# Altium PCB OIS_Anakart.PcbDoc (part 2 of 3)
Units mm, origin at the board's own origin, x right, y up, seen from the top; angles counter-clockwise.
Board outline 285.58 x 103.2 mm, 4 copper layers (Top Layer, GND, PWR, Bottom Layer), stack 0.603 mm thick; 221 components, 193 nets, 759 pads, 338 vias.
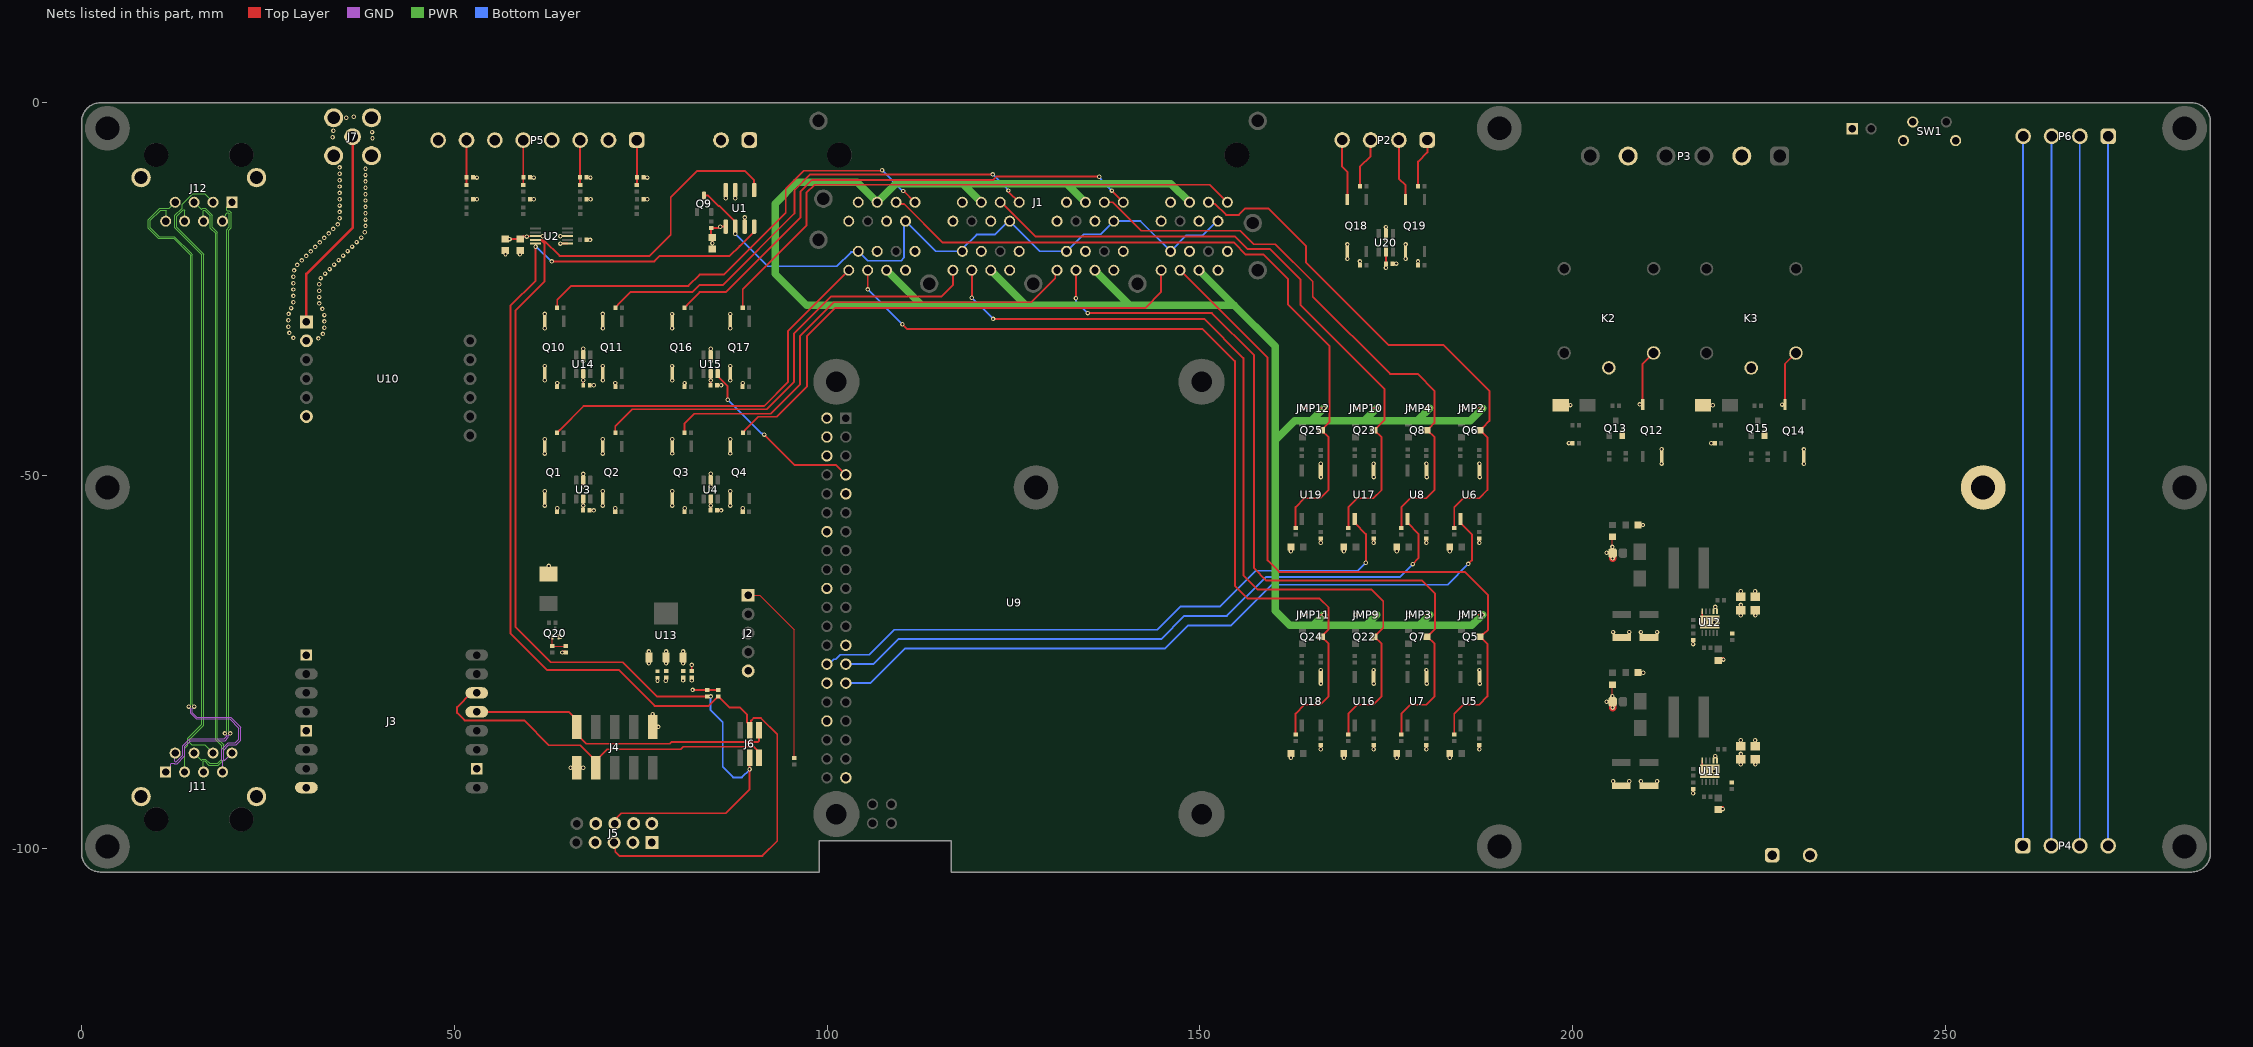
[diagram p4: the nets of this part, all layers, seen from the top]

## Part data
C1 C6: library part GMC10X5R105K16NT, "CAP CER 1UF 16V X5R 0603", Manufacturer="CAL-CHIP ELECTRONICS, INC.", Package="0603(1608 Metric)", Temperature Coefficient=X5R, Tolerance=±10%, Voltage=16V, Datasheet=http://www.calchipelectronics.com/pdf/gmc_series.pdf, Manufacturer Part Number=GMC10X5R105K16NT, Name="Recep Aydin", Part Number=GMC10X5R105K16NT, Que=020, Type=Ceramic
C2 C3 C4 C5 C8 C9 C10 C11: library part C1005X5R1A104K050BA, "CAP CER 0.1UF 10V X5R 0402", Manufacturer="TDK Corporation", Package="0402(1005 Metric)", Temperature Coefficient=X5R, Tolerance=±10%, Voltage=10V, Datasheet=https://product.tdk.com/en/system/files?file=dam/doc/product/capacitor/ceramic/mlcc/catalog/mlcc_commercial_general_en.pdf, Manufacturer Part Number=C1005X5R1A104K050BA, Name="Recep Aydin", Part Number=C1005X5R1A104K050BA, Que=003, Type=Ceramic
C7: library part GRT188R61C106KE13D, "CAP CER 10UF 16V X5R 0603", Manufacturer="Murata Electronics", Package="0603(1608 Metric)", Temperature Coefficient=X5R, Tolerance=±10%, Voltage=16V, Datasheet=https://search.murata.co.jp/Ceramy/image/img/A01X/G101/ENG/GRT188R61C106KE13-01.pdf, Manufacturer Part Number=GRT188R61C106KE13D, Name="Recep Aydin", Part Number=GRT188R61C106KE13D, Que=073, Type=Ceramic
C12 C15 C23 C31 C32 C33 C34: library part 04023C104KAT2A, "CAP CER 0.1UF 25V X7R 0402", Manufacturer="AVX Corporation", Package="0402(1005 Metric)", Temperature Coefficient=X7R, Tolerance=±10%, Voltage=25V, Datasheet=https://datasheets.avx.com/X7RDielectric.pdf, Manufacturer Part Number=04023C104KAT2A, Name="Recep Aydin", Part Number=04023C104KAT2A, Que=009, Type=Ceramic
C16 C17 C21 C22: library part CC0805KKX5R8BB106, "CAP CER 10UF 25V X5R 0805", Manufacturer=YAGEO, Package="0805(2012 Metric)", Temperature Coefficient=X5R, Tolerance=±10%, Voltage=25V, Datasheet=https://www.yageo.com/upload/media/product/productsearch/datasheet/mlcc/UPY-GPHC_X5R_4V-to-50V_26.pdf, Manufacturer Part Number=CC0805KKX5R8BB106, Name="Recep Aydin", Part Number=CC0805KKX5R8BB106, Que=074, Type=Ceramic
C18 C19 C24 C25: library part CL32A226KAJNNWE, "CAP CER 22UF 25V X5R 1210", Manufacturer="Samsung Electro-Mechanics", Package="1210(3225 Metric)", Temperature Coefficient=X5R, Tolerance=±10%, Voltage=25V, Datasheet=https://www.samsungsem.com/kr/support/product-search/mlcc/CL32A226KAJNNWE.jsp, Manufacturer Part Number=CL32A226KAJNNWE, Name="Recep Aydin", Part Number=CL32A226KAJNNWE, Que=018, Type=Ceramic
C20 C26: library part CGA3E1X7R1E105M080AC, "CAP CER 1UF 25V X7R 0603", Manufacturer="TDK Corporation", Package="0603(1608 Metric)", Temperature Coefficient=X7R, Tolerance=±20%, Voltage=25V, Datasheet=https://product.tdk.com/en/system/files?file=dam/doc/product/capacitor/ceramic/mlcc/catalog/mlcc_automotive_general_en.pdf, Manufacturer Part Number=CGA3E1X7R1E105M080AC, Name="Recep Aydin", Part Number=CGA3E1X7R1E105M080AC, Que=017, Type=Ceramic
C27 C28: library part CL05A105KO5NNNC, "CAP CER 1UF 16V X5R 0402", Manufacturer="Samsung Electro-Mechanics", Package="0402(1005 Metric)", Temperature Coefficient=X5R, Tolerance=±10%, Voltage=16V, Datasheet=https://media.digikey.com/pdf/Data%20Sheets/Samsung%20PDFs/CL05A105KO5NNNC_Spec_5-2-19.pdf, Manufacturer Part Number=CL05A105KO5NNNC, Name="Recep Aydin", Part Number=CL05A105KO5NNNC, Que=077, Type=Ceramic
C29 C30: library part C1005X5R1A475K050BC, "CAP CER 4.7UF 10V X5R 0402", Manufacturer="TDK Corporation", Package="0402(1005 Metric)", Temperature Coefficient=X5R, Tolerance=±10%, Voltage=10V, Datasheet=https://product.tdk.com/en/system/files?file=dam/doc/product/capacitor/ceramic/mlcc/catalog/mlcc_commercial_general_en.pdf, Manufacturer Part Number=C1005X5R1A475K050BC, Name="Recep Aydin", Part Number=C1005X5R1A475K050BC, Que=021, Type=Ceramic
D1 D2 D3 D4 D15 D17 D18 D19 D20 D21: "LED GREEN DIFFUSED SMD", Color=Green, Current=20mA, Forward Voltage=2.2V, Manufacturer="Lumex Opto/Components Inc.", Package="0603(1608 Metric)", Datasheet=https://www.lumex.com/datasheet/SML-LX0603GW-TR, LensTransparency=Diffused, Manufacturer Part Number=SML-LX0603GW-TR, Name="Recep Aydin", Part Number=SML-LX0603GW-TR, Que=001
D5: "Green 568nm LED Indication THT", Package="Radial Kingbright", Availability=Unavailable, MF=Kingbright, MP=WP7113GD, Part Number=WP7113GD, Price=None, Que=013, SnapEDA_Link=https://www.snapeda.com/parts/WP7113GD/Kingbright/view-part/573477/?ref=snap
D8 D10: library part SML-P12VTT86R, "LED RED CLEAR 0402 SMD", Color=Red, Current=20mA, Forward Voltage=2V, Package="0402 (1006 Metric)", Part Number=SML-P12VTT86R, Que=005
D9 D11 D14 D16: "DIODE SCHOTTKY 60V 3A DO214AC", Current=3A, Manufacturer="Taiwan Semiconductor Corporation", Package=DO-214AC, Datasheet=https://www.taiwansemi.com/assets/uploads/datasheet/TSSA3U60_F1612.pdf, Diode Type=Schottky, Manufacturer Part Number="TSSA3U60 R3G", Name="Recep Aydin", Part Number="TSSA3U60 R3G", Que=003, Speed="Fast Recovery =< 500ns, > 200mA (Io)"
J1: "Jack Modular Connector RJ45, Ethernet RA", Package=None, Check_prices=https://www.snapeda.com/parts/SS-73100-073/Stewart%20Connector/view-part/79069/?ref=eda, Digi-Key_Part_Number=SS-73100-073F-ND, MF="Stewart Connector", MP=SS-73100-073, Part Number=SS-73100-073, Que=174, SnapEDA_Link=https://www.snapeda.com/parts/SS-73100-073/Stewart%20Connector/view-part/79069/?ref=snap
J2: library part 2.54_5P_HDR, "2.54_5P_HDR", Part Number=2.54_5P_HDR, Que=091
J3: "CAMERA MODULE", Package=None, Check_prices=https://www.snapeda.com/parts/ESP32-CAM/AI-Thinker/view-part/?ref=eda, MF=AI-Thinker, MP=ESP32-CAM, Part Number=ESP32-CAM, Que=041, SnapEDA_Link=https://www.snapeda.com/parts/ESP32-CAM/AI-Thinker/view-part/?ref=snap
J4: "CONN HEADER SMD 10POS 2.54MM", Manufacturer="Amphenol ICC (FCI)", Connector Style="Header,Male Pin", Contact Finish=Tin, Datasheet=http://portal.fciconnect.com/Comergent//fci/drawing/54202.pdf, Date=02.02.2022, Manufacturer Part Number=54202-T0805LF, Mounting Type="Surface Mount", Name="Ahmet Kemal Ayyildiz", Number of Position=10, Part Number=54202-T0805LF, Que=056
J5: library part CONN10P_5x2P, "CONN10P_5x2P", Part Number=CONN10P_5x2P, Que=104
J6: "CONN HEADER SMD 6POS 1.27MM", Manufacturer="Sullins Connector Solutions", Connector Style="Header,Female Pin", Contact Finish=Gold, Datasheet=https://s3.amazonaws.com/catalogspreads-pdf/PAGE94-95%20.050%20MALE%20HDR%20ST%20RA%20SMT.pdf, Date=25-01-2022, Manufacturer Part Number=GRPB032VWQS-RC, Mounting Type="Surface Mount", Name="Ahmet Kemal Ayyildiz", Number of Position=6, Part Number=GRPB032VWQS-RC, Que=052
J7: library part 2057-RF2-49B-T-00-50-G-HDW-ND, "RF SMA CONNECTOR", Package=None, Check_prices=https://www.snapeda.com/parts/RF2-49B-T-00-50-G-HDW/Adam+Tech/view-part/?ref=eda, MF="Adam Tech", MP=RF2-49B-T-00-50-G-HDW, Part Number=2057-RF2-49B-T-00-50-G-HDW-ND, Que=177, SnapEDA_Link=https://www.snapeda.com/parts/RF2-49B-T-00-50-G-HDW/Adam+Tech/view-part/?ref=snap
J8: library part 2P_508, "5.08 mm _ 2 pins", Part Number=2P_508, Que=153
J11 J12: "Jack Modular Connector 8p8c (RJ45, Ethernet) 90Â° Angle (Right) Shielded, EMI Finger", Package=None, Arrow_Europe-Purchase-URL=https://snapeda.com/shop?store=Arrow+Europe&id=700071, Availability=Good, Check_prices=https://www.snapeda.com/parts/SS-6488S-A-PG4-BA/Stewart%20Connector/view-part/700071/?ref=eda, DigiKey-Purchase-URL=https://snapeda.com/shop?store=DigiKey&id=700071, MF="Bel Fuse", Mouser-Purchase-URL=https://snapeda.com/shop?store=Mouser&id=700071, MP=SS-6488S-A-PG4-BA, Price=None, SnapEDA_Link=https://www.snapeda.com/parts/SS-6488S-A-PG4-BA/Stewart%20Connector/view-part/700071/?ref=snap
JMP1 JMP2 JMP3 JMP4 JMP9 JMP10 JMP11 JMP12: library part "Solder Bridge0402_3pad", "0402 Solder Bridge 3 PAD", Name="Recep Aydin", Part Number="Solder Bridge0402_3pad", Que=008
K2 K3: Mfr_Name=Omron, Copyright="Copyright (C) 2023 Ultra Librarian. All rights reserved.", Manufacturer_Part_Number="G5LE-1-CF DC12", Part Number="G5LE-1-CF DC12", Que=038, RefDes=RefDes, Type=DEV
L1 L2: "6.8uH 9A 20.8mOhm Inductor", Current Rating="9 A", DC Resistance="20.8 mOhm", Manufacturer=Coilcraft, Package=PINDC, Datasheet=https://www.mouser.com.tr/datasheet/2/597/xal60xx-270658.pdf, Filter Type=Molded, Manufacturer Part Number=XAL6060-682MEB, Name="Recep Aydin", Part Number=XAL6060-682MEB, Que=003
LS1: "AUDIO MAGNETIC XDCR 2-4V SMD", Frequency=4kHz, Manufacturer=CUI, Max Operating Temperature=70°C, Min Operating Temperature=-20°C, Operating Supply Current=90mA, Supplier Part Number 1=102-3742-1-ND, Voltage Rating=3V, ComponentLink1Description=https://www.cui.com/product/resource/digikeypdf/cmt-4023s-smt.pdf?src-supplier=Digi-Key, ComponentLink1URL=https://www.cui.com/product/resource/digikeypdf/cmt-4023s-smt.pdf?src-supplier=Digi-Key, ComponentLink2Description=http://www.cui.com/product/resource/digikeypdf/cmt-4023s-smt.pdf?src-supplier=Digi-Key, ComponentLink2URL=http://www.cui.com/product/resource/digikeypdf/cmt-4023s-smt.pdf?src-supplier=Digi-Key, Lead Free="Lead Free", Length=4mm, Manufacturer Part Number=CMT-4023S-SMT-TR, Mount="Surface Mount", Packaging="Tape and Reel", Pricing 1="1=2.78, 10=2.3, 25=2.1236, 50=1.9952, 100=1.8717, 500=1.6036, 1000=1.586 (USD)", Sensing Method=Magnetic, Stock 1=2591, Supplier 1=Digi-Key, Termination=Solder, Width=4mm
MH1 MH2 MH3 MH4 MH5 MH6 MH8 MH9 MH10 MH11: library part M3_Vida, Category=Miscellaneous, Created By="Recep Aydin", Created On=13.02.2020, DesignItemID="Mounting Hole", Part Number=M3_Vida, Que=022
P1: "WR-TBL Series 322 - 3.81 mm Horizontal 2 pin", Manufacturer="Wurth Elektronik", Operating Temperature Max=105°C, Operating Temperature Min=-40°C, Rated Current=10A, Working Voltage=300V, Application=Pluggable, Category="Terminal Blocks", ComponentLink1Description="Website Link", ComponentLink1URL=https://www.we-online.com/redexpert/article/691322310002?ad, ComponentLink2Description="Datasheet Link", ComponentLink2URL=https://www.we-online.com/redexpert/spec/691322310002?ad, Manufacturer Part Number=691322310002, Match Code=WR-TBL, Modularity=No, Mount="Through Hole", Number of Pins=2, Number of Rows=1, Orientation=Horizontal, Packaging=Box, Part Number=691322310002, Pitch=3.81mm, Que=170
P2 P4 P6: "WR-TBL Series 322 - 3.81 mm Horizontal", Manufacturer="Wurth Elektronik", Operating Temperature Max=105°C, Operating Temperature Min=-40°C, Rated Current=10A, Working Voltage=300V, Application=Pluggable, Category="Terminal Blocks", ComponentLink1Description="Website Link", ComponentLink1URL=https://www.we-online.com/redexpert/article/691322310004?ad, ComponentLink2Description="Datasheet Link", ComponentLink2URL=https://www.we-online.com/redexpert/spec/691322310004?ad, Manufacturer Part Number=691322310004, Match Code=WR-TBL, Modularity=No, Mount="Through Hole", Number of Pins=4, Number of Rows=1, Orientation=Horizontal, Packaging=Box, Part Number=691322310004, Pitch=3.81mm, Que=169
P3: "WR-TBL Series 3055 - 5.08 mm 6 pin", Manufacturer="Wurth Elektronik", Operating Temperature Max=105°C, Operating Temperature Min=-40°C, Rated Current=16A, Working Voltage=300V, Application=Pluggable, Category="Terminal Blocks", ComponentLink1Description="Website Link", ComponentLink1URL=https://www.we-online.com/redexpert/article/691305540006?ad, ComponentLink2Description="Datasheet Link", ComponentLink2URL=https://www.we-online.com/redexpert/spec/691305540006?ad, Manufacturer Part Number=691305540006, Match Code=WR-TBL, Modularity=No, Mount="Through Hole", Number of Pins=6, Number of Rows=1, Orientation=Horizontal, Packaging=Box, Part Number=691305540006, Pitch=5.08mm, Que=161
P5: "WR-TBL Series 322 - 3.81 mm Horizontal 8 pin", Manufacturer="Wurth Elektronik", Operating Temperature Max=105°C, Operating Temperature Min=-40°C, Rated Current=10A, Working Voltage=300V, Application=Pluggable, Category="Terminal Blocks", ComponentLink1Description="Website Link", ComponentLink1URL=https://www.we-online.com/redexpert/article/691322310008?ad, ComponentLink2Description="Datasheet Link", ComponentLink2URL=https://www.we-online.com/redexpert/spec/691322310008?ad, Manufacturer Part Number=691322310008, Match Code=WR-TBL, Modularity=No, Mount="Through Hole", Number of Pins=8, Number of Rows=1, Orientation=Horizontal, Packaging=Box, Part Number=691322310008, Pitch=3.81mm, Que=172
Q1 Q3 Q10 Q12 Q14 Q16 Q18: "IC-188 OPTOISO 3.75KV TRANS SO6", Mfr_Name="Toshiba Electronic Devices & Storage Corp.", Number_devices_in_Package=1, Source_Package=TLP188, Copyright="Copyright (C) 2023 Ultra Librarian. All rights reserved.", Manufacturer_Part_Number=TLP188(TPL,E, Part Number=TLP188(TPL,E, Que=012, RefDes=RefDes, Type=DEV
Q2 Q4 Q11 Q17 Q19: library part TLP188(TPL,E, "IC-188 OPTOISO 3.75KV TRANS SO6", Mfr_Name="Toshiba Electronic Devices & Storage Corp.", Number_devices_in_Package=1, Source_Package=TLP188, Copyright="Copyright (C) 2023 Ultra Librarian. All rights reserved.", Manufacturer_Part_Number=TLP188(TPL,E, Part Number=TLP188(TPL,E, Que=012, RefDes=RefDes, Type=DEV
Q5 Q6 Q7 Q8 Q22 Q23 Q24 Q25: library part RU20P7C, "20V 5A 28mΩ@4.5V,5A 1.3W 1.1V@250μA P Channel", Package=SOT-23-3, Datasheet=https://datasheet.lcsc.com/szlcsc/2008251903_Shenzhen-ruichips-Semicon-RU20P7C_C181984.pdf, Part Number=RU20P7C, Que=009, Type=PMOS
Q9: "MOSFET P-CH 20V 5A SOT23-3L", Current=5A, Manufacturer="Alpha & Omega Semiconductor Inc.", Package=SOT-23-3, Voltage=1.5V,4.5V, Datasheet=https://media.digikey.com/pdf/Data%20Sheets/Alpha%20&%20Omega/AO3415A.pdf, FET Type=P-Channel, Manufacturer Part Number=AO3415A, Name="Recep Aydin", Part Number=AO3415A, Que=002, Technology=MOSFET
Q13 Q15: "TRANS NPN 40V 0.6A SMD SOT23-3", DC Current Gain="100 @ 150mA, 1V", Frequency=250Mhz, Manufacturer="Diodes Incorporated", Package=SOT-23-3, Datasheet=https://www.diodes.com/assets/Datasheets/ds30039.pdf, Manufacturer Part Number=MMBT4401-7-F, Name="Recep Aydin", Part Number=MMBT4401-7-F, Que=007, Type=NPN, Vce Saturation="750mV @ 50mA, 500mA"
Q20: "MOSFET N-CH 20V 210MA SOT723", Current=210mA, Manufacturer="ON Semiconductor", Package=SOT-723, Voltage="1.65V, 4.5V", Datasheet=https://www.onsemi.com/pdf/datasheet/ntk3043n-d.pdf, FET Type=N-Channel, Manufacturer Part Number=NTK3043NT1G, Name="Recep Aydin", Part Number=NTK3043NT1G, Que=009, Technology=MOSFET
R1 R2 R3 R4 R5 R6 R7 R8 R9: library part 0402WGF2000TCE, "RES.(1005) 0402 200 Ohms 1% 1/16W 100PPM", Part Number=0402WGF2000TCE, Que=165
R10 R11 R12 R13 R14 R15 R16 R17 R18 R19 R20 R22 R23 R24 R26 R27 R28 R30 R31 R32 R34 R35 R36 R36 R37 R37 R38 R38 R39 R41 R42 R43 R45 R46 R47 R48 R49 R50 R61 R62 R63 R64 R65 R66 R67 R69 R70 R71 R73 R74 R75 R77 R78 R79 R81 R82 R83: library part RT0402BRE071KL, "RES SMD 1K OHM 0.1% 1/16W 0402", Manufacturer=Yageo, Package=0402, Resistor Type="Thick Film", Tolerance=0.1%, Datasheet=https://www.yageo.com/upload/media/product/productsearch/datasheet/rchip/PYu-RT_1-to-0.01_RoHS_L_12.pdf, Manufacturer Part Number=RT0402BRE071KL, Name="Recep Aydin", Part Number=RT0402BRE071KL, Que=015
R21 R25 R29 R33 R72 R76 R80 R84: library part CRCW04024K70FKED, "RES SMD 4.7K OHM 1% 1/16W 0402", Manufacturer="Vishay Dale", Package=0402, Resistor Type="Thick Film", Tolerance=0.1%, Datasheet=https://www.vishay.com/docs/20035/dcrcwe3.pdf, Manufacturer Part Number=CRCW04024K70FKED, Name="Recep Aydin", Part Number=CRCW04024K70FKED, Que=017
R40 R44: library part RC1005F103CS, "RES SMD 10K OHM 1% 1/16W 0402", Manufacturer="Samsung Electro-Mechanics", Package=0402, Resistor Type="Thick Film", Tolerance=0.1%, Datasheet=https://media.digikey.com/pdf/Data%20Sheets/Samsung%20PDFs/RC_Series_ds.pdf, Manufacturer Part Number=RC1005F103CS, Name="Recep Aydin", Part Number=RC1005F103CS, Que=004
R51 R54 R56 R59: library part RC0402FR-07100KL, "RES SMD 100K OHM 1% 1/16W 0402", Manufacturer=YAGEO, Package=0402, Resistor Type="Thick Film", Tolerance=1%, Datasheet=https://www.yageo.com/upload/media/product/productsearch/datasheet/rchip/PYu-RC_Group_51_RoHS_L_11.pdf, Manufacturer Part Number=RC0402FR-07100KL, Name="Recep Aydin", Part Number=RC0402FR-07100KL, Que=055
R52 R57: library part RMCF0402FT27K0, "RES 27K OHM 1% 1/16W 0402", Manufacturer="Stackpole Electronics Inc", Package=0402, Resistor Type="Thick Film", Tolerance=±1%, Datasheet=https://www.seielect.com/catalog/sei-rmcf_rmcp.pdf, Manufacturer Part Number=RMCF0402FT27K0, Name="Ahmet Kemal Ayyildiz", Part Number=RMCF0402FT27K0, Que=142
R53 R58: library part RMCF0603FT330R, "RES 330 OHM 1% 1/10W 0603", Manufacturer="Stackpole Electronics Inc", Package=0603, Resistor Type="Thick Film", Tolerance=0.1%, Datasheet=https://www.seielect.com/catalog/sei-rmcf_rmcp.pdf, Manufacturer Part Number=RMCF0603FT330R, Name="Recep Aydin", Part Number=RMCF0603FT330R, Que=002
R55 R60: library part RC0402FR-075K1L, "RES 5.1K OHM 1% 1/16W 0402", Manufacturer=YAGEO, Package=0402, Resistor Type="Thick Film", Tolerance=1%, Datasheet=https://www.yageo.com/upload/media/product/productsearch/datasheet/rchip/PYu-RC_Group_51_RoHS_L_11.pdf, Manufacturer Part Number=RC0402FR-075K1L, Name="Recep Aydin", Part Number=RC0402FR-075K1L, Que=089
SB1 SB2: library part "Solder Bridge0805", "0805 Solder Bridge", Name="Recep Aydin", Part Number="Solder Bridge0805", Que=006
SW1: "THT Tact Switch 6x6 mm Right Angled", Manufacturer="Wurth Elektronik", Operating Temperature Max=85°C, Operating Temperature Min=-40°C, Rated Current=50mA, Rated Voltage=12VDC, Category="Tact Switches", Circuit=SPST-NO, ComponentLink1Description="Website Link", ComponentLink1URL=https://www.we-online.com/redexpert/article/431256083716?ad, ComponentLink2Description="Datasheet Link", ComponentLink2URL=https://www.we-online.com/redexpert/spec/431256083716?ad, Contact Material="Stainless Steel", Contact Plating=Silver, Height=8.35mm, Length=6mm, Manufacturer Part Number=431256083716, Match Code=WS-TATU, Mount="Through Hole", Operation Force=160g, Packaging=Bulk, Part Number=431256083716, Que=014, Terminal Material="Copper Alloy", Terminal Plating=Silver, Washable=No, Width=6mm
U1: "IC BRIDGE I2C TO 1-WIRE 8-SOIC", Package="SOIC-8 Maxim", Availability=Unavailable, MF="Maxim Integrated", MP=DS2482S-100+, Part Number=DS2482S-100+, Price=None, Que=080, SnapEDA_Link=https://www.snapeda.com/parts/DS2482S-100+/Maxim%20Integrated/view-part/587620/?ref=snap
U2: "IC ADC 16BIT SIGMA-DELTA 10VSSOP", Manufacturer="Texas Instruments", Package=10VSSOP, Availability=Unavailable, Datasheet=https://www.digikey.com/en/products/detail/texas-instruments/ADS1115IDGST/2123284, Function=ADC, Manufacturer Part Number=ADS1115IDGST, MP=ADS1115IDGST, Name="İbrahim Akbulut", Part Number=ADS1115IDGST, Price=None, Que=047
U3 U4 U14 U15 U20: "Dual Schmitt-Trigger Inverter 6-SOT-23 -40 to 125", Package="SOT-23-6 Texas Instruments", Availability=Unavailable, DigiKey-Purchase-URL=https://snapeda.com/shop?store=DigiKey&id=77482, MF="Texas Instruments", Mouser-Purchase-URL=https://snapeda.com/shop?store=Mouser&id=77482, MP=SN74LVC2G14DBVR, Price=None, SnapEDA_Link=https://www.snapeda.com/parts/SN74LVC2G14DBVR/Texas%20Instruments/view-part/77482/?ref=snap, Texas_Instruments-Purchase-URL=https://snapeda.com/shop?store=Texas+Instruments&id=77482
U5 U6 U7 U8 U16 U17 U18 U19: "OPTOISO 3.75KV TRANS 6-SO 4 LEAD", Current DC Forward=50mA, Forward Voltage=1.25V, Manufacturer=Toshiba, Package=6-SOIC, Voltage-Isolation=3750Vrms, Datasheet=https://www.digikey.com/en/products/detail/toshiba-semiconductor-and-storage/TLP183-BLL-TPL-E/4562835, Manufacturer Part Number=TLP183(BLL-TPL,E, Name="Recep Aydin", NumberofChannels=1, Output Current=50mA, Output Type=Transistor, Part Number=TLP183(BLL-TPL,E, Que=003
U9: library part "MODULE_RASPBERRY_PI_4B_4GB THT CONNECTOR", "MODULE_RASPBERRY_PI_4B_4GB", Package=None, Availability="In Stock", Check_prices=https://www.snapeda.com/parts/RASPBERRY%20PI%204B/4GB/Raspberry+Pi/view-part/?ref=eda, MF="Raspberry Pi", MP="RASPBERRY PI 4B/4GB", Part Number="MODULE_RASPBERRY_PI_4B_4GB THT CONNECTOR", Price=None, Purchase-URL="https://pricing.snapeda.com/search/part/RASPBERRY PI 4B/4GB/?ref=eda", Que=040, SnapEDA_Link=https://www.snapeda.com/parts/RASPBERRY%20PI%204B/4GB/Raspberry+Pi/view-part/?ref=snap
U10: library part SIM800C_EVAL, Part Number=SIM800C_EVAL, Que=042
U11 U12: "IC REG BUCK ADJUSTABLE 3A 10WDFN", Manufacturer="Richtek USA Inc.", Package="10-WFDFN Exposed Pad", VoltageIN=3V-24V, VoltageOUT=0.8V-15V, Datasheet=https://www.richtek.com/assets/product_file/RT8299/DS8299-05.pdf, Manufacturer Part Number=RT8299ZQW, Name="Ahmet Kemal Ayyildiz", Part Number=RT8299ZQW, Que=025, Type=Buck
U13: "IC-1117 V.REG. 1A 3V3 SOT223 SMD AMS", Manufacturer=AMS, Package=SOT223, VoltageIN=4.8V, VoltageOUT=3.3V, Datasheet=https://cdn.ozdisan.com/ETicaret_Dosya/348307_6210366.pdf, Manufacturer Part Number=AMS1117-3.3, Name="Ahmet Kemal Ayyildiz", Part Number=AMS1117-3.3, Que=021, Type="Positive Fixed"

## Via types
v1: diameter 0.6, hole 0.3, Top Layer to Bottom Layer, tented both sides, 338 vias
